# Altium PCB DRS4-PCB.PcbDoc (part 8 of 15) (continued)
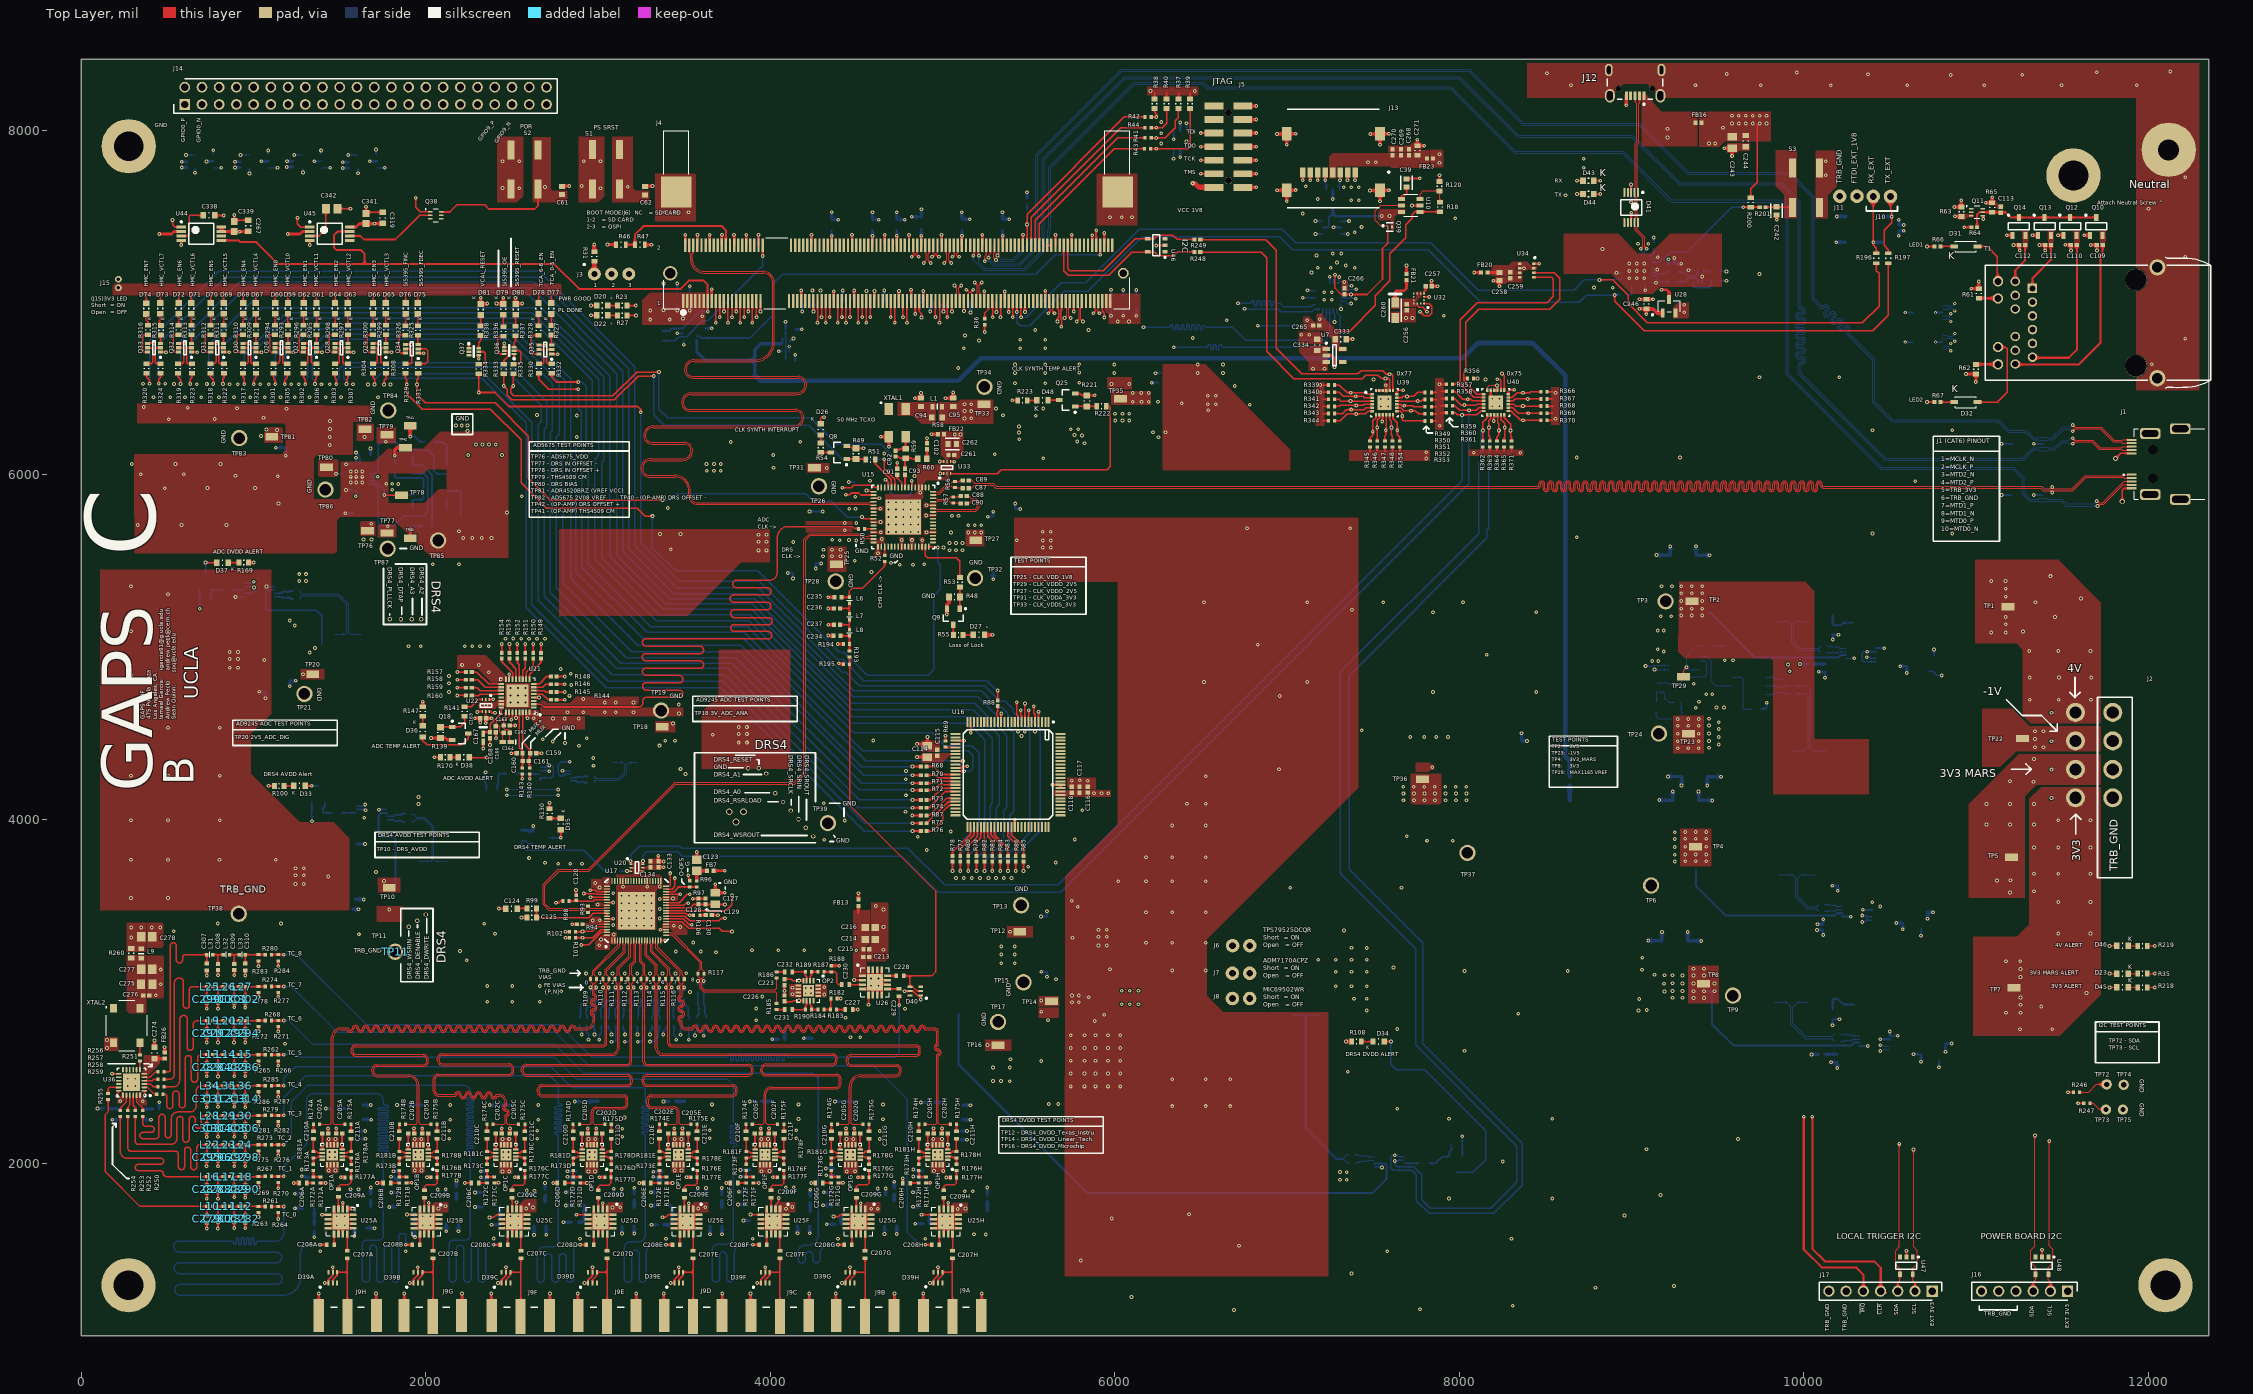
[diagram p0: Top Layer view]
## Nets (pads, with @x,y where several pads share a name; then routed paths per layer and width w, separated by ;. In a path a pad name is that pad's centre, name@x,y a point inside that pad or via, vN(x,y) a via of type N, cw(c..) or ccw(c..) an arc to the next point about the centre after c; other vN are vias at no path point) (continued)
  Bottom Layer w6.73: D28.1@11385.6,5921.37 11407.64,5921.37 11410.65,5918.37 11429.6,5918.37 11439.23,5928 v1(11441,5928) v1@11442.77,5928
MCLK_P: C87.1 D28.2 J1.2 | length 9402.7
  Top Layer w5.08: C87.1@5153.13,5921.4 5167.24,5921.4 5185.77,5939.92 5290.79,5939.92 5308.79,5921.92 8446.11,5921.92 8453.69,5921.92 ccw(c8453.69,5939.54) 8471.3,5939.54 8471.3,5944.39 cw(c8478.84,5944.39) 8486.38,5944.39 8486.38,5919.61 ccw(c8503.99,5919.61) 8521.61,5919.61 8521.61,5944.39 cw(c8529.14,5944.39) 8536.68,5944.39 8536.68,5919.61 ccw(c8554.3,5919.61) 8571.91,5919.61 8571.91,5944.39 cw(c8579.45,5944.39) 8586.99,5944.39 8586.99,5919.61 ccw(c8604.6,5919.61) 8622.22,5919.61 8622.22,5944.39 cw(c8629.75,5944.39) 8637.29,5944.39 8637.29,5919.61 ccw(c8654.91,5919.61) 8672.52,5919.61 8672.52,5944.39 cw(c8680.06,5944.39) 8687.6,5944.39 8687.6,5919.61 ccw(c8705.21,5919.61) 8722.83,5919.61 8722.83,5944.39 cw(c8730.36,5944.39) 8737.9,5944.39 8737.9,5919.61 ccw(c8755.52,5919.61) 8773.13,5919.61 8773.13,5944.39 cw(c8780.67,5944.39) 8788.21,5944.39 8788.21,5919.61 ccw(c8805.82,5919.61) 8823.43,5919.61 8823.43,5944.39 cw(c8830.97,5944.39) 8838.51,5944.39 8838.51,5919.61 ccw(c8856.13,5919.61) 8873.74,5919.61 8873.74,5944.39 cw(c8881.28,5944.39) 8888.82,5944.39 8888.82,5919.61 ccw(c8906.43,5919.61) 8924.04,5919.61 8924.04,5944.39 cw(c8931.58,5944.39) 8939.12,5944.39 8939.12,5919.61 ccw(c8956.74,5919.61) 8974.35,5919.61 8974.35,5944.39 cw(c8981.89,5944.39) 8989.43,5944.39 8989.43,5919.61 ccw(c9007.04,5919.61) 9024.65,5919.61 9024.65,5944.39 cw(c9032.19,5944.39) 9039.73,5944.39 9039.73,5919.61 ccw(c9057.34,5919.61) 9074.96,5919.61 9074.96,5944.39 cw(c9082.5,5944.39) 9090.04,5944.39 9090.04,5919.61 ccw(c9107.65,5919.61) 9125.26,5919.61 9125.26,5944.39 cw(c9132.8,5944.39) 9140.34,5944.39 9140.34,5919.61 ccw(c9157.95,5919.61) 9175.57,5919.61 9175.57,5944.39 cw(c9183.11,5944.39) 9190.64,5944.39 9190.64,5919.61 ccw(c9208.26,5919.61) 9225.87,5919.61 9225.87,5944.39 cw(c9233.41,5944.39) 9240.95,5944.39 9240.95,5919.61 ccw(c9258.56,5919.61) 9276.18,5919.61 9276.18,5944.39 cw(c9283.72,5944.39) 9291.25,5944.39 9291.25,5919.61 ccw(c9308.87,5919.61) 9326.48,5919.61 9326.48,5944.39 cw(c9334.02,5944.39) 9341.56,5944.39 9341.56,5919.61 ccw(c9359.17,5919.61) 9376.79,5919.61 9376.79,5944.39 cw(c9384.33,5944.39) 9391.86,5944.39 9391.86,5919.61 ccw(c9409.48,5919.61) 9427.09,5919.61 9427.09,5944.39 cw(c9434.63,5944.39) 9442.17,5944.39 9442.17,5919.61 ccw(c9459.78,5919.61) 9477.4,5919.61 9477.4,5944.39 cw(c9484.94,5944.39) 9492.47,5944.39 9492.47,5919.61 ccw(c9510.09,5919.61) 9527.7,5919.61 9527.7,5944.39 cw(c9535.24,5944.39) 9542.78,5944.39 9542.78,5919.61 ccw(c9560.39,5919.61) 9578.01,5919.61 9578.01,5944.39 cw(c9585.55,5944.39) 9593.08,5944.39 9593.08,5919.61 ccw(c9610.7,5919.61) 9628.31,5919.61 9628.31,5944.39 cw(c9635.85,5944.39) 9643.39,5944.39 9643.39,5919.61 ccw(c9661,5919.61) 9678.62,5919.61 9678.62,5944.39 cw(c9686.15,5944.39) 9693.69,5944.39 9693.69,5919.61 ccw(c9711.31,5919.61) 9728.92,5919.61 9728.92,5944.39 cw(c9736.46,5944.39) 9744,5944.39 9744,5919.61 ccw(c9761.61,5919.61) 9779.23,5919.61 9779.23,5944.39 cw(c9786.76,5944.39) 9794.3,5944.39 9794.3,5919.61 ccw(c9811.92,5919.61) 9829.53,5919.61 9829.53,5944.39 cw(c9837.07,5944.39) 9844.61,5944.39 9844.61,5919.61 ccw(c9862.22,5919.61) 9879.84,5919.61 9879.84,5944.39 cw(c9887.37,5944.39) 9894.91,5944.39 9894.91,5919.61 ccw(c9912.53,5919.61) 9930.14,5919.61 9930.14,5944.39 cw(c9937.68,5944.39) 9945.22,5944.39 9945.22,5919.61 ccw(c9962.83,5919.61) 9980.45,5919.61 9980.45,5944.39 cw(c9987.98,5944.39) 9995.52,5944.39 9995.52,5919.61 ccw(c10013.14,5919.61) 10030.75,5919.61 10030.75,5944.39 cw(c10038.29,5944.39) 10045.83,5944.39 10045.83,5919.61 ccw(c10063.44,5919.61) 10081.05,5919.61 10081.06,5944.39 cw(c10088.59,5944.39) 10096.13,5944.39 10096.13,5939.54 ccw(c10113.75,5939.54) 10113.75,5921.92 10178.47,5921.92 11376,5921.92 11390.46,5907.46 11429.74,5907.46 11440.2,5897 v1(11441,5897) 11441.8,5897 11452.26,5907.46 11560.71,5907.46 11638.25,5985 11856,5985 11861,5980 J1.2@11886,5980
  Bottom Layer w6.73: D28.2@11385.6,5901.69 11407.64,5901.69 11412.59,5906.63 11429.6,5906.63 11439.23,5897 v1(11441,5897) v1@11442.77,5897
NetC8_1: C8.1 U1.5
NetC10_2: C10.2 D8.2 R7.2 U1.1
NetC12_2: C12.2 D9.2 R8.2 U2.1
NetC13_1: C13.1 U2.5
NetC17_2: C17.2 D10.2 R9.2 U3.1
NetC20_2: C20.2 U4.4
NetC22_1: C22.1 U5.5
NetC24_2: C24.2 D11.2 R12.2 U5.1
NetC26_1: C26.1 U6.5
NetC28_2: C28.2 D12.2 R13.1 U6.1
NetC33_2: C33.2 D14.2 R16.2 U8.1
NetC34_1: C34.1 U8.5
NetC37_1: C37.1 U9.5
NetC38_2: C38.2 D15.2 R17.2 U9.1
NetC39_1: C39.1 U10.4 | length 90.2
  Top Layer w8.72: U10.4@7663.97,7600.4 7663.97,7617.04 7669.07,7622.14 7683,7622.14 7693,7632.14 C39.1@7693,7670.38
NetC45_2: C45.2 D17.2 R19.2 U11.3
NetC46_1: C46.1 U11.4
NetC48_1: C48.1 U12.4
NetC50_2: C50.2 D18.2 R20.1 U12.3
NetC54_2: C54.2 D21.2 R21.2 U13.1
NetC55_1: C55.1 Q4.1 R22.1 R24.2 | length 83.3
  Bottom Layer w15.75: 8639.22,4111.02 8639.97,4111.78
  Bottom Layer w27.56: 8639.97,4111.78 R24.2@8639.97,4194
NetC55_2: C55.2 F5.2 Q4.3 R22.2
NetC57_1: C57.1 U13.5
NetC58_1: C58.1 R33.2 U14.10 | length 107.6
  Bottom Layer w5: R33.2@10119.51,3505.46 10119.85,3505.12 10141.73,3505.12 10145.28,3501.57 10162.7,3501.57 10178.44,3501.57 10186.67,3493.34 U14.10@10222.07,3493.34
NetC58_2: C58.2 R30.2 U14.9 | length 108.2
  Bottom Layer w5: R30.2@10119.4,3466.24 10121.47,3464.17 10143.11,3464.17 10147.05,3468.11 10162.7,3468.11 10163.58,3467.22 10181.69,3467.22 10188.13,3473.66 U14.9@10222.07,3473.66
NetC85_2: C85.2 R45.2 | length 36.2
  Bottom Layer w7.8: R45.2@5490,7535.12 C85.2@5490,7571.35
NetC86_2: C86.2 FB6.2 U15.13 | length 51
  Top Layer w7.87: v1(4668.53,5971.29) 4683.38,5956.45 U15.13@4683.38,5926.47
NetC91_2: C91.2 U15.9 | length 84.4
  Top Layer w9.84: C91.2@4736.53,6000.3 4736.53,5980.65 4762.12,5955.06 U15.9@4762.12,5926.47
NetC92_1: C92.1 C93.1 R59.2 R60.2 | length 185.1
  Top Layer w9.84: C92.1@4725.51,6105.61 4742.4,6105.61 4752.05,6095.96 4781.81,6095.96 C93.1@4781.81,6034.35 C93.1@4781.81,6033.76 ; R59.2@4784.89,6096.48 4815.85,6096.48 4821.83,6090.5 R60.2@4845,6090.5
NetC92_2: C92.2 R59.1 XTAL1.5 | length 115.6
  Top Layer w9.84: C92.2@4729.3,6144.04 4748.36,6144.04 4754.31,6150 R59.1@4771.96,6150 ; R59.1@4784.89,6149.63 XTAL1.5@4784.89,6220.06
NetC94_1: C94.1 L1.1 R58.1 XTAL1.8
NetC102_2: C102.2 R60.1 | length 45.7
  Top Layer w11.81: R60.1@4909.46,6101 C102.2@4909.46,6146.66
NetC119_1: C119.1 R92.2 U18.10 | length 117.4
  Bottom Layer w7.87: U18.10@1772.09,3997.45 1811.81,3997.45 1820.85,3988.42 1833.27,3988.42 1836.08,3991.23 1854.19,3991.23 1861.54,3983.88 1880.64,3983.88 R92.2@1881.25,3984.49
NetC119_2: C119.2 R90.2 U18.9 | length 116.3
  Bottom Layer w7.87: U18.9@1772.09,4017.14 1813.02,4017.14 1820.58,4024.7 1836.08,4024.7 1853.67,4024.7 1860.57,4031.6 1879.89,4031.6 R90.2@1881.66,4029.83
NetC120_1: C120.1 R98.2 U17.63 | length 221.4
  Top Layer w7.87: R98.2@2831.83,3525.39 2832.18,3525.05 2871.67,3525.05 2971.82,3525.05 2978.55,3531.78 U17.63@3050.28,3531.78
NetC123_2: C123.2 FB7.2 R96.2 | length 115.8
  Top Layer w15.75: R96.2@3572.98,3641.98 C123.2@3572.98,3699.9 ; C123.2@3574.67,3699.9 FB7.2@3632.59,3699.9
NetC124_2: C124.2 R99.1 | length 57.6
  Top Layer w5: C124.2@2529.41,3481.25 cw(c2530.28,3481.25) C124.2@2530.28,3482.12
  Top Layer w7.87: C124.2@2530.28,3482.12 R99.1@2586.51,3482.12
NetC125_2: C125.2 R99.2 U17.68 U17.69 | length 487.5
  Top Layer w7.87: R99.2@2641.63,3482.12 C125.2@2641.63,3428.97 2946.12,3428.97 2970.19,3453.04 U17.68@3050.28,3453.04 U17.69@3050.28,3437.29
NetC126_1: C126.1 R105.2 U19.10 | length 117.8
  Bottom Layer w5: R105.2@7392.74,2052.1 7413.59,2052.1 7419.13,2046.56 7441.05,2046.56 7461.07,2046.56 7466.95,2040.69 U19.10@7505.78,2040.69
NetC126_2: C126.2 R103.2 U19.9 | length 117.2
  Bottom Layer w5: R103.2@7394.43,2006.81 7416.16,2006.81 7422.45,2013.1 7441.05,2013.1 7461.02,2013.1 7468.92,2021 U19.9@7505.78,2021
NetC130_2: C130.2 R106.2 | length 34.6
  Top Layer w7.87: R106.2@3590.24,3442.62 3624.3,3442.62 C130.2@3624.68,3443
NetC162_1: C162.1 C164.2 C166.1 U21.25 | length 231.5
  Top Layer w6: C166.1@2407.5,4543.32 2407.5,4561.57 2417.93,4572 2437,4572 2462.16,4597.16 2462.16,4620.56 U21.25@2463.82,4622.23 ; C166.1@2413,4542 2423.43,4542 2428,4537.43 2428,4508.54 2434.54,4502 C162.1@2451.68,4502 ; C164.2@2446.36,4458.31 C162.1@2446.36,4496.69
  Top Layer w7.87: C162.1@2446.36,4496.69 C162.1@2451.68,4502
NetC162_2: C162.2 C164.1 C165.1 U21.26 | length 223.1
  Top Layer w6: U21.26@2483.5,4622.23 2483.5,4598.79 2451.68,4566.96 C165.1@2451.68,4543.32 2451.68,4528.49 2457.05,4523.12 2482.18,4523.12 2485.61,4519.69 2485.61,4502.71 C162.2@2486.32,4502 2486.32,4455.83 C164.1@2496.54,4445.61
NetC167_1: C167.1 C168.1 U21.24 | length 217.2
  Top Layer w7.87: C167.1@2333,4495.64 2333,4498.43 2339.89,4505.32 2375.42,4505.32 2374.68,4506.07 2374.68,4551.12 2438.22,4614.66 U21.24@2438.22,4647.83
NetC170_1: C170.1 R165.2 U23.10 | length 108.7
  Bottom Layer w7.87: U23.10@2839.14,4221.84 2872.01,4221.84 2880.44,4213.42 2900.1,4213.42 2902.97,4216.29 2915.89,4216.29 2921.62,4210.56 R165.2@2940.82,4210.56
NetC170_2: C170.2 R161.2 U23.9 | length 106
  Bottom Layer w7.87: U23.9@2839.14,4241.53 2873.39,4241.53 2877.34,4245.48 2898.69,4245.48 2900.1,4246.88 2917.65,4246.88 2921.51,4250.74 2940.41,4250.74 R161.2@2941.09,4251.42
NetC171_1: C171.1 R166.2 U24.10 | length 115
  Bottom Layer w7.87: U24.10@1122.61,5291.34 1157.11,5291.34 1162.12,5286.33 1186.48,5286.33 1186.59,5286.44 1206.43,5286.44 1212.7,5280.16 R166.2@1232.86,5280.16
NetC171_2: C171.2 R162.2 U24.9 | length 116.2
  Bottom Layer w7.87: U24.9@1122.61,5311.02 1157.66,5311.02 1166.54,5319.9 1186.59,5319.9 1205.73,5319.9 1211.27,5325.45 R162.2@1232.86,5325.45
NetC192A_2: C192A.2 C193A.1 C194A.2 C195A.1 FB10A.2 U25A.1 | length 73.1
  Top Layer w11.81: U25A.1@1543.58,1738.4 U25A.1@1545.16,1739.98
  Top Layer w19.68: U25A.1@1545.16,1739.98 v1(1573.42,1739.98)
  Bottom Layer w15.75: FB10A.2@1679.76,1789.85 1679.76,1747.33 1679.8,1747.28
NetC192B_2: C192B.2 C193B.1 C194B.2 C195B.1 FB10B.2 U25B.1 | length 37.4
  Bottom Layer w11.81: 2177.3,1792.07 2177.72,1791.64
  Bottom Layer w19.68: 2177.3,1792.07 FB10B.2@2177.3,1828.89
  other v1: 2072.9,1740 2114.15,1752.36
NetC192C_2: C192C.2 C193C.1 C194C.2 C195C.1 FB10C.2 U25C.1 | length 37.9
  Bottom Layer w19.68: 2691.97,1778.02 FB10C.2@2691.97,1815.93
  other v1: 2582.56,1740 2621.35,1745.82
NetC192D_2: C192D.2 C193D.1 C194D.2 C195D.1 FB10D.2 U25D.1 | length 39.4
  Bottom Layer w19.68: 3209.84,1747.79 FB10D.2@3209.84,1787.14
  other v1: 3083.9,1746.09 3129.1,1746.67
NetC192E_2: C192E.2 C193E.1 C194E.2 C195E.1 FB10E.2 U25E.1 | length 40.2
  Bottom Layer w19.68: 3718.04,1745.76 FB10E.2@3718.04,1785.99
  other v1: 3581.28,1739.38 3622.09,1747.44
NetC192F_2: C192F.2 C193F.1 C194F.2 C195F.1 FB10F.2 U25F.1 | length 50.7
  Bottom Layer w19.68: 4231.12,1724.08 FB10F.2@4231.12,1774.75
  other v1: 4091.1,1737.9 4127.24,1748.44
NetC192G_2: C192G.2 C193G.1 C194G.2 C195G.1 FB10G.2 U25G.1 | length 37.7
  Bottom Layer w19.68: 4718.54,1785.97 FB10G.2@4718.54,1823.64
  other v1: 4585.62,1737.9 4623.11,1737.9
NetC192H_2: C192H.2 C193H.1 C194H.2 C195H.1 FB10H.2 U25H.1 | length 53.7
  Bottom Layer w19.68: 5258.71,1726.88 FB10H.2@5258.71,1780.55
  other v1: 5088.39,1736.99 5132.18,1739.8
NetC196A_1: C196A.1 C198A.1 C200A.2 C203A.2 FB11A.2 OP1A.5 OP1A.6 OP1A.7 OP1A.8 | length 40.8
  Bottom Layer w15.75: FB11A.2@1488.42,2320.61 1528.6,2320.61 1529.07,2320.15
  other v1: 1436.19,2142.91 1474.96,2142.91
NetC196B_1: C196B.1 C198B.1 C200B.2 C203B.2 FB11B.2 OP1B.5 OP1B.6 OP1B.7 OP1B.8 | length 78.6
  Bottom Layer w19.68: FB11B.2@1902.63,2340.59 1981.25,2340.59
  other v1: 1934.94,2142.91 1973.71,2142.91
NetC196C_1: C196C.1 C198C.1 C200C.2 C203C.2 FB11C.2 OP1C.5 OP1C.6 OP1C.7 OP1C.8 | length 66
  Bottom Layer w19.68: FB11C.2@2440.13,2340.59 2506.14,2340.59
  other v1: 2444.39,2142.91 2483.15,2142.91
NetC196D_1: C196D.1 C198D.1 C200D.2 C203D.2 FB11D.2 OP1D.5 OP1D.6 OP1D.7 OP1D.8 | length 63.8
  Bottom Layer w19.68: FB11D.2@2934.16,2361.61 2997.94,2361.6
  other v1: 2943.64,2142.91 2982.48,2142.91
NetC196E_1: C196E.1 C198E.1 C200E.2 C203E.2 FB11E.2 OP1E.5 OP1E.6 OP1E.7 OP1E.8 | length 52.5
  Bottom Layer w19.68: FB11E.2@3449.28,2361.61 3501.8,2361.61
  other v1: 3444.55,2142.91 3483.39,2142.91
NetC196F_1: C196F.1 C198F.1 C200F.2 C203F.2 FB11F.2 OP1F.5 OP1F.6 OP1F.7 OP1F.8 | length 60.3
  Bottom Layer w19.68: FB11F.2@3949.71,2361.61 4009.93,2361.61 ; 4009.93,2361.61 4009.97,2361.57
  other v1: 3947.62,2142.91 3986.46,2142.91
NetC196G_1: C196G.1 C198G.1 C200G.2 C203G.2 FB11G.2 OP1G.5 OP1G.6 OP1G.7 OP1G.8 | length 58
  Bottom Layer w15.75: FB11G.2@4444.93,2361.61 4502.33,2361.61 4502.74,2362.03
  other v1: 4442.42,2142.91 4481.26,2142.91
NetC196H_1: C196H.1 C198H.1 C200H.2 C203H.2 FB11H.2 OP1H.5 OP1H.6 OP1H.7 OP1H.8 | length 53.2
  Bottom Layer w19.68: FB11H.2@4956.59,2355.78 5009.14,2355.78 5009.63,2356.27
  other v1: 4945.26,2142.8 4995.91,2142.81
NetC197A_1: C197A.1 C199A.1 C201A.2 C204A.2 FB12A.2 OP1A.13 OP1A.14 OP1A.15 OP1A.16 | length 96.5
  Bottom Layer w15.75: FB12A.2@1351.65,1644.8 C201A.2@1351.65,1741.34
  other v1: 1436.43,1960.35 1475.19,1960.35
NetC197B_1: C197B.1 C199B.1 C201B.2 C204B.2 FB12B.2 OP1B.13 OP1B.14 OP1B.15 OP1B.16 | length 66.4
  Bottom Layer w19.68: FB12B.2@1936.3,1644.8 1936.3,1710.25 1936.98,1710.92
  other v1: 1935.18,1960.35 1973.94,1960.35
NetC197C_1: C197C.1 C199C.1 C201C.2 C204C.2 FB12C.2 OP1C.13 OP1C.14 OP1C.15 OP1C.16 | length 65.1
  Bottom Layer w19.68: FB12C.2@2428.84,1681.92 2428.84,1745.88 2429.64,1746.67
  other v1: 2444.63,1954.94 2483.89,1955.08
NetC197D_1: C197D.1 C199D.1 C201D.2 C204D.2 FB12D.2 OP1D.13 OP1D.14 OP1D.15 OP1D.16 | length 123.3
  Bottom Layer w19.68: FB12D.2@2885.87,1659.61 2905.87,1659.61 2918.23,1671.96 C201D.2@2918.23,1757.79
  other v1: 2943.88,1955.08 2982.4,1955.08
NetC197E_1: C197E.1 C199E.1 C201E.2 C204E.2 FB12E.2 OP1E.13 OP1E.14 OP1E.15 OP1E.16 | length 160.2
  Bottom Layer w19.68: FB12E.2@3380.32,1645.23 3413.97,1645.23 3432.28,1663.54 3432.28,1742.12 C201E.2@3416.65,1757.76
  other v1: 3444.78,1960.35 3483.31,1960.35
NetC197F_1: C197F.1 C199F.1 C201F.2 C204F.2 FB12F.2 OP1F.13 OP1F.14 OP1F.15 OP1F.16
  other v1: 3948.42,1955.98 3994.29,1957.39
NetC197G_1: C197G.1 C199G.1 C201G.2 C204G.2 FB12G.2 OP1G.13 OP1G.14 OP1G.15 OP1G.16 | length 45
  Bottom Layer w19.68: 4410.24,1692.75 4410.47,1692.52 FB12G.2@4410.47,1647.88
  other v1: 4442.6,1954.37 4491.48,1955.85
NetC197H_1: C197H.1 C199H.1 C201H.2 C204H.2 FB12H.2 OP1H.13 OP1H.14 OP1H.15 OP1H.16 | length 46.1
  Bottom Layer w19.68: FB12H.2@4924.1,1651.14 4924.1,1697.21
  other v1: 4950.27,1958.18 5003.32,1958.19
NetC206A_2: C206A.2 R172A.2 | length 41.3
  Top Layer w8.72: C206A.2@1308.06,1888.78 R172A.2@1349.41,1888.78
NetC206B_2: C206B.2 R172B.2 | length 48.9
  Top Layer w8.72: C206B.2@1796.65,1888.5 R172B.2@1845.55,1888.5
NetC206C_2: C206C.2 R172C.2 | length 48.9
  Top Layer w9.5: C206C.2@2306.1,1888.5 R172C.2@2355,1888.5
NetC206D_2: C206D.2 R172D.2 | length 48.9
  Top Layer w8.72: C206D.2@2806.26,1888.5 R172D.2@2855.16,1888.5
NetC206E_2: C206E.2 R172E.2 | length 48.9
  Top Layer w8.72: C206E.2@3306.73,1888.5 R172E.2@3355.63,1888.5
NetC206F_2: C206F.2 R172F.2 | length 48.9
  Top Layer w8.72: C206F.2@3810.24,1888.5 R172F.2@3859.13,1888.5
NetC206G_2: C206G.2 R172G.2 | length 48.9
  Top Layer w8.72: C206G.2@4305.04,1888.5 R172G.2@4353.94,1888.5
NetC206H_2: C206H.2 R172H.2 | length 49.8
  Top Layer w8.72: C206H.2@4812.56,1886.38 4814.69,1888.5 R172H.2@4861.46,1888.5
NetC207A_1: C207A.1 U25A.12 | length 98.4
  Top Layer w8.72: C207A.1@1543.62,1493.39 U25A.12@1543.62,1591.76
NetC207A_2: C207A.2 D39A.2 D39A.4 J9A.1 | length 484.6
  Top Layer w8.72: D39A.2@1459.65,1307.09 1459.65,1326.92 1485.24,1352.51 D39A.4@1485.24,1370.08 1543.62,1370.08 ; J9A.1@1543.62,1096 1543.62,1370.08 ; C207A.2@1543.62,1448.5 1543.62,1370.08 ; 1543.72,1370.08 1543.62,1370.08
NetC207B_1: C207B.1 U25B.12 | length 99.2
  Top Layer w8.72: C207B.1@2042.32,1493.39 U25B.12@2042.32,1591.76 U25B.12@2042.32,1592.54
NetC207B_2: C207B.2 D39B.2 D39B.4 J9B.1 | length 473.7
  Top Layer w8.72: D39B.2@1953.46,1307.09 1953.46,1326.92 1979.06,1352.51 D39B.4@1979.06,1370.08 2041.99,1370.08 ; J9B.1@2041.99,1112.91 2041.99,1114.39 2041.99,1370.08 ; C207B.2@2041.99,1450.08 2041.99,1370.08
NetC207C_1: C207C.1 U25C.12 | length 99.2
  Top Layer w8.72: C207C.1@2551.77,1493.39 U25C.12@2551.77,1592.54
NetC207C_2: C207C.2 D39C.2 D39C.4 J9C.1 | length 469.3
  Top Layer w8.72: D39C.2@2465.43,1307.09 2465.43,1326.92 2491.02,1352.51 D39C.4@2491.02,1370.08 2549.51,1370.08 ; J9C.1@2551.44,1112.91 C207C.2@2551.44,1450.08
NetC207D_1: C207D.1 U25D.12 | length 99.2
  Top Layer w8.72: C207D.1@3051.93,1493.39 U25D.12@3051.93,1591.76 U25D.12@3051.93,1592.54
NetC207D_2: C207D.2 D39D.2 D39D.4 J9D.1 | length 469.3
  Top Layer w8.72: D39D.2@2967.54,1307.09 2967.54,1326.92 2993.13,1352.51 D39D.4@2993.13,1370.08 3051.6,1370.08 ; J9D.1@3051.6,1112.91 3051.6,1370.08 ; C207D.2@3051.6,1450.08 3051.6,1370.08
NetC207E_1: C207E.1 U25E.12 | length 99.2
  Top Layer w8.72: C207E.1@3551.78,1493.39 U25E.12@3551.78,1591.76 U25E.12@3551.78,1592.54
NetC207E_2: C207E.2 D39E.2 D39E.4 J9E.1 | length 468.3
  Top Layer w8.72: D39E.2@3468.27,1307.09 3468.27,1326.92 3493.86,1352.51 D39E.4@3493.86,1370.08 3551.44,1370.08 ; J9E.1@3551.44,1112.91 3551.44,1370.08 ; C207E.2@3551.44,1450.08 3551.44,1370.08
NetC207F_1: C207F.1 U25F.12 | length 98.8
  Top Layer w8.72: C207F.1@4055.48,1493.39 U25F.12@4055.48,1591.76 U25F.12@4055.48,1592.22
NetC207F_2: C207F.2 D39F.2 D39F.4 J9F.1 | length 469.3
  Top Layer w8.72: D39F.2@3970.52,1307.09 3970.52,1326.92 3996.12,1352.51 D39F.4@3996.12,1370.08 4054.6,1370.08 ; J9F.1@4055.48,1112.91 C207F.2@4055.48,1450.08
NetC207G_1: C207G.1 U25G.12 | length 102.3
  Top Layer w8.72: C207G.1@4550,1493.39 U25G.12@4550,1591.76 U25G.12@4550,1595.71
NetC207G_2: C207G.2 D39G.2 D39G.4 J9G.1 | length 466.3
  Top Layer w8.72: D39G.2@4462.64,1307.09 4462.64,1326.92 4488.23,1352.51 D39G.4@4488.23,1370.08 4546.71,1370.08 ; J9G.1@4550,1112.86 C207G.2@4550,1447.15
NetC207H_1: C207H.1 U25H.12 | length 97
  Top Layer w8.72: C207H.1@5057.53,1493.39 U25H.12@5057.53,1590.42
NetC207H_2: C207H.2 D39H.2 D39H.4 J9H.1 | length 469.3
  Top Layer w8.72: D39H.2@4973.62,1307.09 4973.62,1326.92 4999.21,1352.51 D39H.4@4999.21,1370.08 5057.17,1370.08 ; J9H.1@5057.17,1112.91 5057.17,1370.08 ; C207H.2@5057.17,1450.08 5057.17,1370.08 ; 5057.7,1370.08 5057.17,1370.08
NetC208A_1: C208A.1 U25A.9 | length 62.6
  Top Layer w8.72: C208A.1@1466.81,1529.93 U25A.9@1466.81,1592.54
NetC208B_1: C208B.1 U25B.9 | length 62.3
  Top Layer w9.5: C208B.1@1964.76,1529.41 U25B.9@1964.76,1591.75
NetC208C_1: C208C.1 U25C.9 | length 62.3
  Top Layer w8.72: C208C.1@2475,1530.22 U25C.9@2475,1592.54
NetC208D_1: C208D.1 U25D.9 | length 62.3
  Top Layer w8.72: C208D.1@2975.16,1530.22 U25D.9@2975.16,1591.76 U25D.9@2975.16,1592.54
NetC208E_1: C208E.1 U25E.9 | length 62.3
  Top Layer w8.72: C208E.1@3475,1530.22 U25E.9@3475,1592.54
NetC208F_1: C208F.1 U25F.9 | length 62.3
  Top Layer w8.72: C208F.1@3978.7,1530.22 U25F.9@3978.7,1592.54
NetC208G_1: C208G.1 U25G.9 | length 62.3
  Top Layer w8.72: C208G.1@4473.23,1530.22 U25G.9@4473.23,1591.76 U25G.9@4473.23,1592.54
NetC208H_1: C208H.1 U25H.9 | length 62.3
  Top Layer w8.72: C208H.1@4980.75,1528.09 U25H.9@4980.75,1590.42
NetC209A_1: C209A.1 R176A.1 R177A.2 | length 168.4
  Top Layer w8.72: C209A.1@1492.4,1850.74 1492.4,1865.67 1505.79,1879.06 1552.28,1879.06 1566.46,1893.23 R177A.2@1566.46,1920.31 1566.22,1920.55 R176A.1@1566.22,1961.06 ; R176A.1@1571.1,1961.06 R176A.1@1571.18,1960.98
NetC209A_2: C209A.2 U25A.3 | length 69
  Top Layer w8.72: U25A.3@1492.4,1738.4 C209A.2@1492.4,1807.43
NetC209B_1: C209B.1 R176B.1 R177B.2 | length 178.4
  Top Layer w8.72: C209B.1@1991.14,1845.35 1991.14,1866.26 2001.34,1876.46 2054.13,1876.46 2065.04,1887.36 R177B.2@2065.04,1921.68 ; R177B.2@2064.8,1921.92 R176B.1@2064.8,1962.43
NetC209B_2: C209B.2 U25B.3 | length 63.6
  Top Layer w8.72: U25B.3@1991.14,1738.4 C209B.2@1991.14,1802.05
NetC209C_1: C209C.1 R176C.1 R177C.2 | length 178.4
  Top Layer w8.72: C209C.1@2500.31,1844.5 2500.31,1865.4 2510.51,1875.6 2563.31,1875.6 2574.21,1886.51 R177C.2@2574.21,1920.83 R176C.1@2574.21,1961.34
NetC209C_2: C209C.2 U25C.3 | length 63.6
  Top Layer w8.72: U25C.3@2500.59,1738.4 C209C.2@2500.59,1802.05
NetC209D_1: C209D.1 R176D.1 R177D.2 | length 178.4
  Top Layer w8.72: C209D.1@3000.47,1844.5 3000.47,1865.4 3010.67,1875.6 3063.46,1875.6 3074.37,1886.51 R177D.2@3074.37,1920.83 R176D.1@3074.37,1961.34
NetC209D_2: C209D.2 U25D.3 | length 63.6
  Top Layer w8.72: U25D.3@3000.75,1738.4 C209D.2@3000.75,1802.05
NetC209E_1: C209E.1 R176E.1 R177E.2 | length 178.4
  Top Layer w8.72: C209E.1@3500.94,1844.5 3500.94,1865.4 3511.14,1875.6 3563.94,1875.6 3574.84,1886.51 R177E.2@3574.84,1920.83 R176E.1@3574.84,1961.34
NetC209E_2: C209E.2 U25E.3 | length 63.6
  Top Layer w8.72: U25E.3@3501.22,1738.4 C209E.2@3501.22,1802.05
NetC209F_1: C209F.1 R176F.1 R177F.2 | length 178.4
  Top Layer w8.72: C209F.1@4004.02,1844.5 4004.02,1865.4 4014.21,1875.6 4067.01,1875.6 4077.91,1886.51 R177F.2@4077.91,1920.83 R176F.1@4077.91,1961.34
NetC209F_2: C209F.2 U25F.3 | length 63.6
  Top Layer w8.72: U25F.3@4004.29,1738.4 C209F.2@4004.29,1802.05
NetC209G_1: C209G.1 R176G.1 R177G.2 | length 178.4
  Top Layer w8.72: C209G.1@4498.82,1845.35 4498.82,1866.26 4509.01,1876.46 4561.81,1876.46 4572.71,1887.36 R177G.2@4572.72,1921.68 R176G.1@4572.72,1961.34 R176G.1@4572.72,1962.19
NetC209G_2: C209G.2 U25G.3 | length 63.6
  Top Layer w8.72: U25G.3@4498.82,1738.4 C209G.2@4498.82,1802.05
NetC209H_1: C209H.1 R176H.1 R177H.2 | length 178.4
  Top Layer w8.72: C209H.1@5006.34,1845.35 5006.34,1866.26 5016.54,1876.46 5069.33,1876.46 5080.24,1887.36 5080.24,1921.68 R176H.1@5080.24,1961.34 R176H.1@5080.24,1962.19
NetC209H_2: C209H.2 U25H.3 | length 63.6
  Top Layer w8.72: U25H.3@5006.34,1738.4 C209H.2@5006.34,1802.05
NetC210A_1: C210A.1 R174A.1 | length 40.6
  Top Layer w7.87: C210A.1@1346.81,2188.5 R174A.1@1346.81,2229.13
NetC210A_2: C210A.2 OP1A.10 R181A.2 | length 130.2
  Top Layer w7.87: C210A.2@1346.81,2145.2 R181A.2@1346.81,2069.61 1366.5,2069.61 1373.86,2062.24 OP1A.10@1398.41,2062.24
NetC210B_1: C210B.1 R174B.1 | length 40.6
  Top Layer w7.87: C210B.1@1845.55,2188.5 R174B.1@1845.55,2229.13
NetC210B_2: C210B.2 OP1B.10 R181B.2 | length 130.2
  Top Layer w7.87: C210B.2@1845.55,2145.2 R181B.2@1845.55,2069.61 1865.25,2069.61 1872.61,2062.24 OP1B.10@1897.16,2062.24
NetC210C_1: C210C.1 R174C.1 | length 40.6
  Top Layer w7.87: C210C.1@2355,2188.5 R174C.1@2355,2229.13
NetC210C_2: C210C.2 OP1C.10 R181C.2 | length 130.2
  Top Layer w7.87: C210C.2@2355,2145.2 R181C.2@2355,2069.61 2374.69,2069.61 2382.06,2062.24 OP1C.10@2406.61,2062.24
NetC210D_1: C210D.1 R174D.1 | length 40.6
  Top Layer w7.87: C210D.1@2855.16,2188.5 R174D.1@2855.16,2229.13
NetC210D_2: C210D.2 OP1D.10 R181D.2 | length 130.2
  Top Layer w7.87: C210D.2@2855.15,2145.2 2855.15,2069.61 2874.85,2069.61 2882.21,2062.24 OP1D.10@2906.76,2062.24
NetC210E_1: C210E.1 R174E.1 | length 40.6
  Top Layer w7.87: C210E.1@3355.63,2188.5 R174E.1@3355.63,2229.13
NetC210E_2: C210E.2 OP1E.10 R181E.2 | length 130.2
  Top Layer w7.87: R181E.2@3355.63,2069.61 C210E.2@3355.63,2145.2 ; R181E.2@3355.63,2069.61 3375.32,2069.61 3382.69,2062.24 OP1E.10@3407.24,2062.24
NetC210F_1: C210F.1 R174F.1 | length 40.6
  Top Layer w7.87: C210F.1@3859.13,2188.5 R174F.1@3859.13,2229.13
NetC210F_2: C210F.2 OP1F.10 R181F.2 | length 130.2
  Top Layer w7.87: C210F.2@3858.69,2145.2 3858.69,2069.61 R181F.2@3859.13,2069.61 3878.39,2069.61 3885.76,2062.24 OP1F.10@3910.31,2062.24
NetC210G_1: C210G.1 R174G.1 | length 40.6
  Top Layer w7.87: C210G.1@4353.94,2188.5 R174G.1@4353.94,2229.13
NetC210G_2: C210G.2 OP1G.10 R181G.2 | length 130.2
  Top Layer w7.87: C210G.2@4353.94,2145.2 R181G.2@4353.94,2069.61 4373.63,2069.61 4380.99,2062.24 OP1G.10@4405.54,2062.24
NetC210H_1: C210H.1 R174H.1 | length 40.6
  Top Layer w7.87: C210H.1@4861.46,2188.5 R174H.1@4861.46,2229.13
NetC210H_2: C210H.2 OP1H.10 R181H.2 | length 130.2
  Top Layer w7.87: C210H.2@4861.45,2145.2 4861.45,2069.61 4881.15,2069.61 4888.51,2062.24 OP1H.10@4913.06,2062.24
NetC211A_1: C211A.1 R175A.1 | length 41.3
  Top Layer w7.87: C211A.1@1566.22,2187.8 R175A.1@1566.22,2229.13
NetC211A_2: C211A.2 OP1A.3 R178A.2 | length 129.7
  Top Layer w7.87: OP1A.3@1514.41,2062.24 1543.27,2062.24 1550.63,2069.61 R178A.2@1566.22,2069.61 C211A.2@1566.22,2144.49
NetC211B_1: C211B.1 R175B.1 | length 40.6
  Top Layer w7.87: C211B.1@2065.04,2188.5 R175B.1@2065.04,2229.13
NetC211B_2: C211B.2 OP1B.3 R178B.2 | length 130.7
  Top Layer w7.87: OP1B.3@2013.16,2062.24 2037.75,2062.24 2046.13,2070.63 R178B.2@2064.75,2070.63 ; R178B.2@2065.04,2069.61 C211B.2@2065.04,2145.2
NetC211C_1: C211C.1 R175C.1 | length 40.6
  Top Layer w7.87: C211C.1@2574.21,2188.78 R175C.1@2574.21,2229.41
NetC211C_2: C211C.2 OP1C.3 R178C.2 | length 130.7
  Top Layer w7.87: OP1C.3@2522.33,2062.52 2546.92,2062.52 2555.31,2070.91 R178C.2@2573.93,2070.91 ; R178C.2@2574.21,2069.88 C211C.2@2574.21,2145.2 C211C.2@2574.21,2145.47
NetC211D_1: C211D.1 R175D.1 | length 40.6
  Top Layer w7.87: C211D.1@3076.18,2188.5 R175D.1@3076.18,2229.13
NetC211D_2: C211D.2 OP1D.3 R178D.2 | length 130.7
  Top Layer w7.87: OP1D.3@3022.49,2062.52 3047.08,2062.52 3055.46,2070.91 R178D.2@3074.09,2070.91 ; R178D.2@3076.47,2068.58 C211D.2@3076.47,2144.17
NetC211E_1: C211E.1 R175E.1 | length 40.6
  Top Layer w7.87: C211E.1@3574.84,2188.5 R175E.1@3574.84,2229.13
NetC211E_2: C211E.2 OP1E.3 R178E.2 | length 130.7
  Top Layer w7.87: OP1E.3@3521.15,2062.52 3545.74,2062.52 3554.12,2070.91 R178E.2@3572.75,2070.91 ; R178E.2@3575.13,2068.58 C211E.2@3575.13,2144.17
NetC211F_1: C211F.1 R175F.1 | length 40.6
  Top Layer w7.87: C211F.1@4077.91,2188.5 R175F.1@4077.91,2229.13
NetC211F_2: C211F.2 OP1F.3 R178F.2 | length 130.7
  Top Layer w7.87: OP1F.3@4024.22,2062.52 4048.81,2062.52 4057.2,2070.91 R178F.2@4075.82,2070.91 ; R178F.2@4078.2,2068.58 C211F.2@4078.2,2144.17
NetC211G_1: C211G.1 R175G.1 | length 40.6
  Top Layer w7.87: C211G.1@4572.72,2188.5 R175G.1@4572.72,2229.13
NetC211G_2: C211G.2 OP1G.3 R178G.2 | length 130.7
  Top Layer w7.87: OP1G.3@4519.02,2062.52 4543.61,2062.52 4552,2070.91 R178G.2@4570.62,2070.91 ; R178G.2@4573,2068.58 C211G.2@4573,2144.17
NetC211H_1: C211H.1 R175H.1 | length 40.6
  Top Layer w7.87: C211H.1@5080.24,2188.5 R175H.1@5080.24,2229.13
NetC211H_2: C211H.2 OP1H.3 R178H.2 | length 130.7
  Top Layer w7.87: OP1H.3@5026.54,2062.52 5051.13,2062.52 5059.52,2070.91 R178H.2@5078.14,2070.91 ; R178H.2@5080.24,2069.61 C211H.2@5080.24,2145.2
NetC212A_1: C212A.1 L2A.1 R179A.1 | length 157.5
  Bottom Layer w7.87: L2A.1@2891.94,2842.07 2892.96,2843.08 2892.96,2859.11 2897.9,2864.05 2897.9,2879.68 2897.9,2923.61 2935.25,2960.96 R179A.1@2955.9,2960.96